# Altium PCB C1B_EVAL_DEV.PcbDoc (part 1 of 2) (continued)
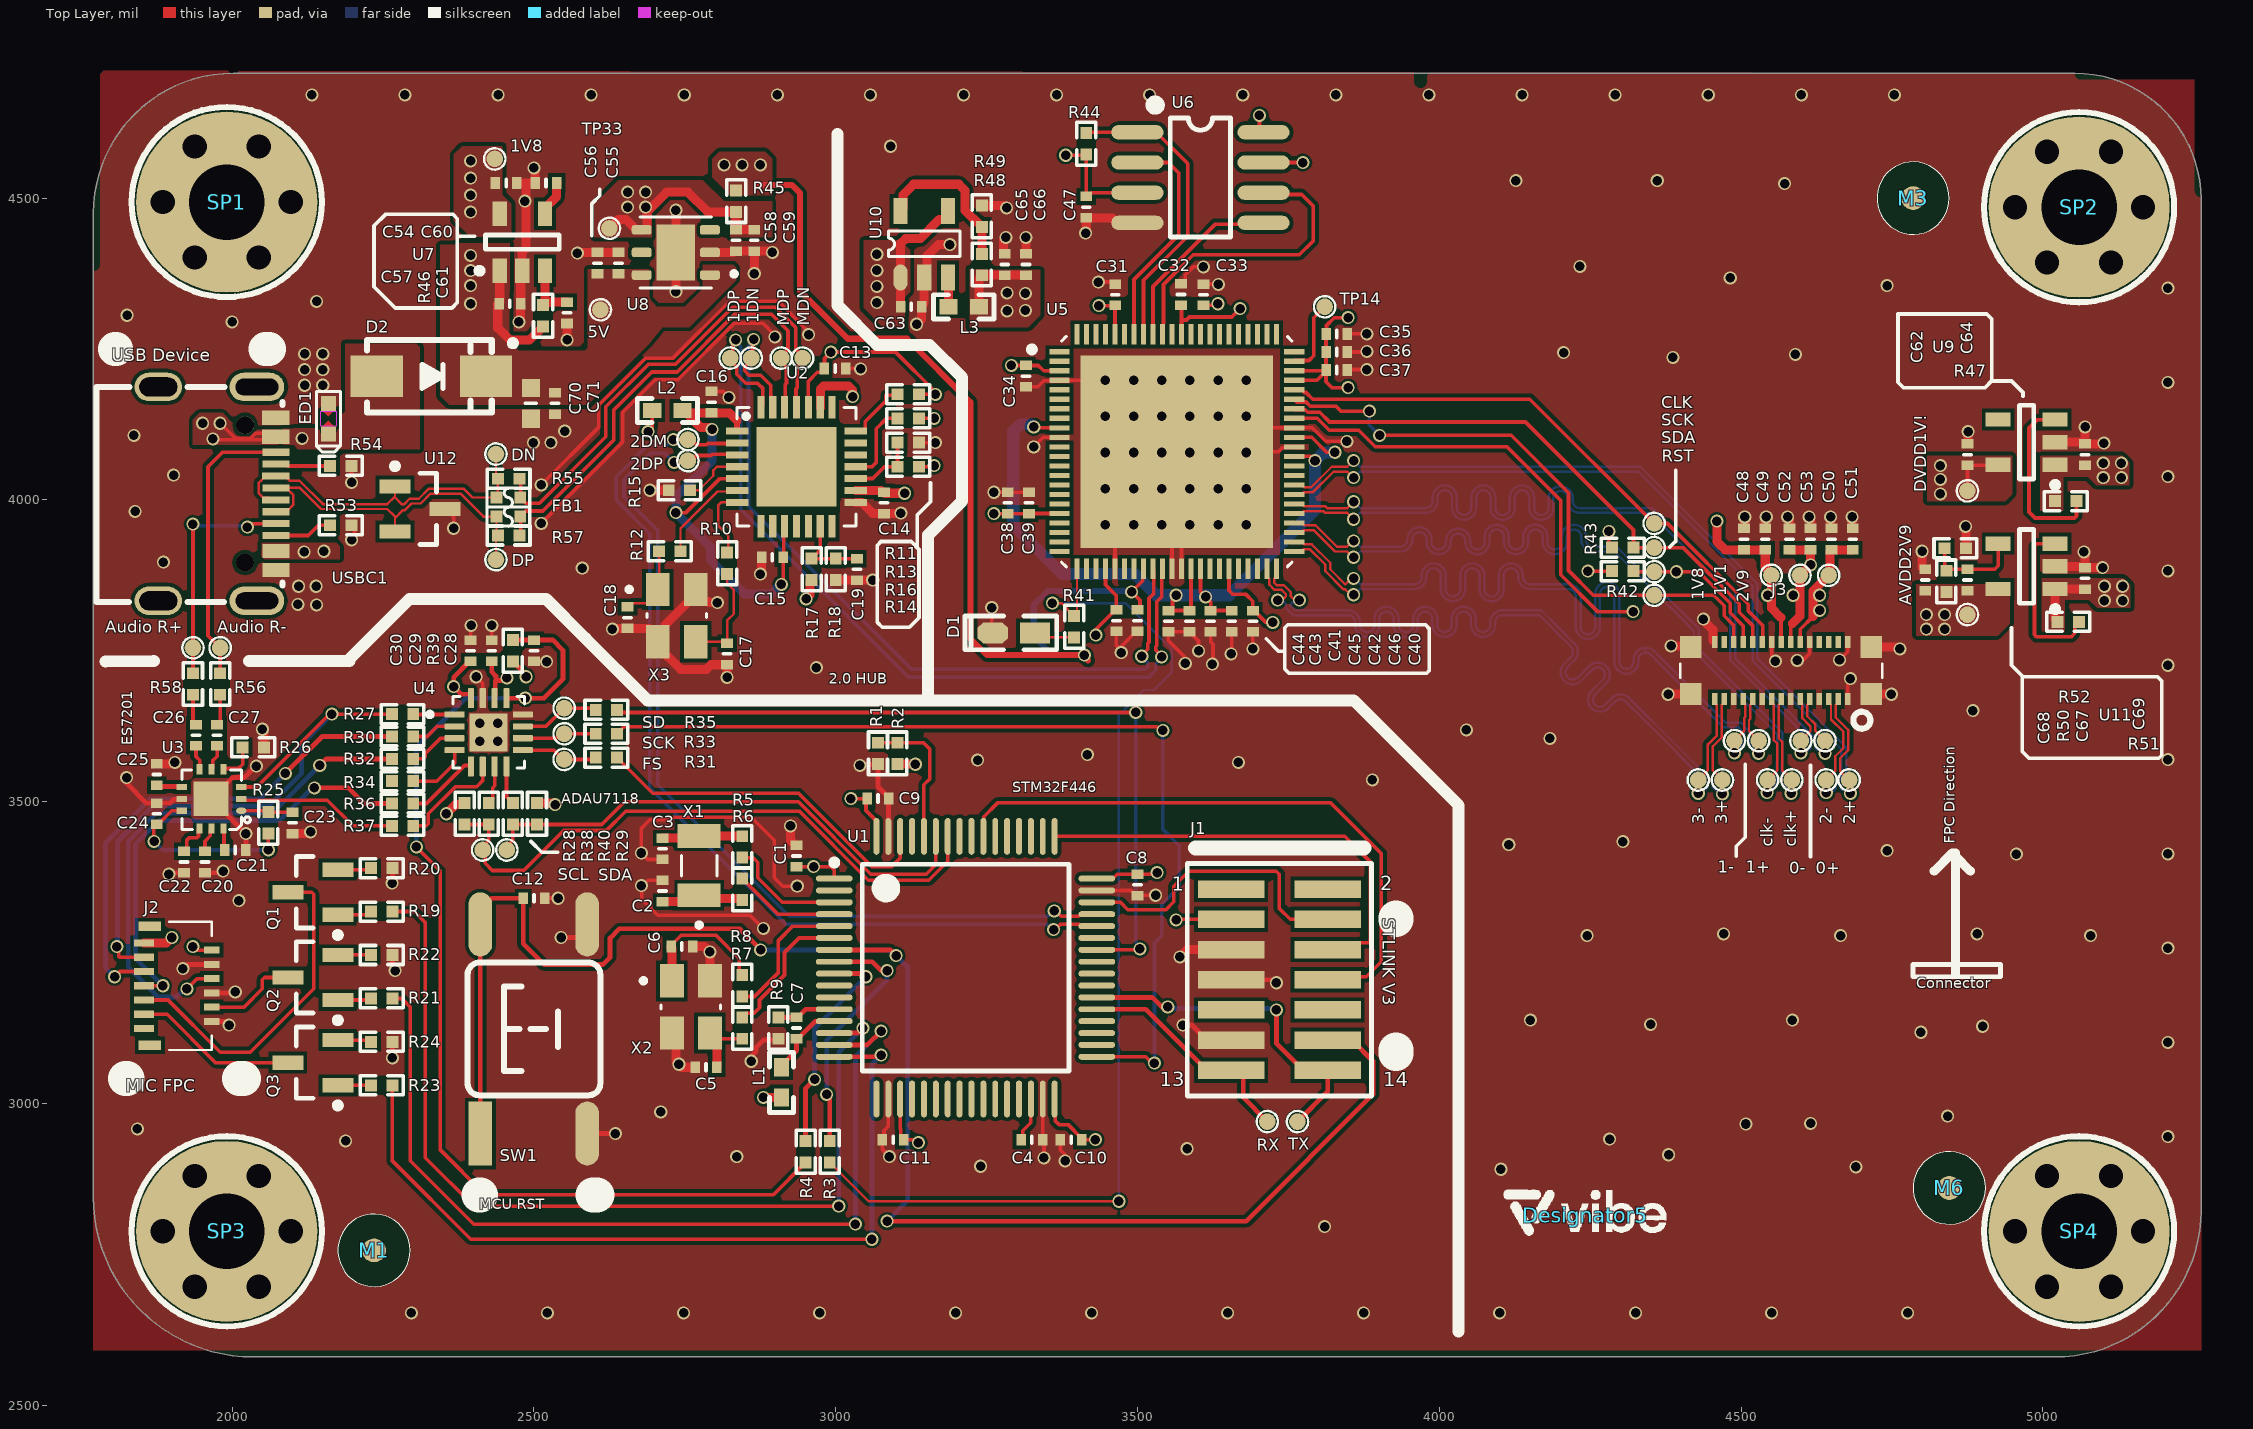
[diagram p0: Top Layer view]
## Footprints (in the part's own frame and the unit in brackets; to place one, negate y for a bottom-side part, rotate by r counter-clockwise, add the part's x,y. Pads: shape width x height; smd on the part's side, far side on the other; paste and mask are expansions set on the pad) (continued)
  round 300 hole 125: 1(0,0)
  silkscreen extent -157,-157 157,157, body extent -106,-93 106,93, height 159
MARK [mm]
  round 1 smd mask+0.05: 1(0,0)
  Top Layer pour cut-out: 1.524,0 1.523,0.066 1.519,0.133 1.511,0.199 1.501,0.265 1.488,0.33 1.472,0.395 1.454,0.458 1.432,0.521 1.408,0.583 1.382,0.644 1.352,0.704 1.32,0.762 1.286,0.819 1.249,0.874 1.209,0.928 1.168,0.98 1.124,1.03 1.078,1.078 1.03,1.124 0.98,1.168 0.928,1.209 0.874,1.249 0.819,1.286 0.762,1.32 0.704,1.352 0.644,1.382 0.583,1.408 0.521,1.432 0.458,1.454 0.395,1.472 0.33,1.488 0.265,1.501 0.199,1.511 0.133,1.519 0.066,1.523 0,1.524 -0.066,1.523 -0.133,1.519 -0.199,1.511 -0.265,1.501 -0.33,1.488 -0.395,1.472 -0.458,1.454 -0.521,1.432 -0.583,1.408 -0.644,1.382 -0.704,1.352 -0.762,1.32 -0.819,1.286 -0.874,1.249 -0.928,1.209 -0.98,1.168 -1.03,1.124 -1.078,1.078 -1.124,1.03 -1.168,0.98 -1.209,0.928 -1.249,0.874 -1.286,0.819 -1.32,0.762 -1.352,0.704 -1.382,0.644 -1.408,0.583 -1.432,0.521 -1.454,0.458 -1.472,0.395 -1.488,0.33 -1.501,0.265 -1.511,0.199 -1.519,0.133 -1.523,0.066 -1.524,0 -1.523,-0.066 -1.519,-0.133 -1.511,-0.199 -1.501,-0.265 -1.488,-0.33 -1.472,-0.395 -1.454,-0.458 -1.432,-0.521 -1.408,-0.583 -1.382,-0.644 -1.352,-0.704 -1.32,-0.762 -1.286,-0.819 -1.249,-0.874 -1.209,-0.928 -1.168,-0.98 -1.124,-1.03 -1.078,-1.078 -1.03,-1.124 -0.98,-1.168 -0.928,-1.209 -0.874,-1.249 -0.819,-1.286 -0.762,-1.32 -0.704,-1.352 -0.644,-1.382 -0.583,-1.408 -0.521,-1.432 -0.458,-1.454 -0.395,-1.472 -0.33,-1.488 -0.265,-1.501 -0.199,-1.511 -0.133,-1.519 -0.066,-1.523 0,-1.524 0.066,-1.523 0.133,-1.519 0.199,-1.511 0.265,-1.501 0.33,-1.488 0.395,-1.472 0.458,-1.454 0.521,-1.432 0.583,-1.408 0.644,-1.382 0.704,-1.352 0.762,-1.32 0.819,-1.286 0.874,-1.249 0.928,-1.209 0.98,-1.168 1.03,-1.124 1.078,-1.078 1.124,-1.03 1.168,-0.98 1.209,-0.928 1.249,-0.874 1.286,-0.819 1.32,-0.762 1.352,-0.704 1.382,-0.644 1.408,-0.583 1.432,-0.521 1.454,-0.458 1.472,-0.395 1.488,-0.33 1.501,-0.265 1.511,-0.199 1.519,-0.133 1.523,-0.066 1.524,0
  silkscreen extent -1.52,-1.52 1.52,1.52
QFN12 [mil]
  oval 17x10 smd: 1(0,0)
  rect 17x10 smd: 2(0,-19.68) 3(0,-39.37) 7(98.43,-39.37) 8(98.43,-19.68) 9(98.43,0)
  rect 10x17 smd: 4(29.53,-68.9) 5(49.21,-68.9) 6(68.9,-68.9) 10(68.9,29.53) 11(49.21,29.53) 12(29.53,29.53)
  rect 57.48x57.48 smd: 13(50,-20)
  Top Layer keep-out region: 45,-10
  Top Layer keep-out region: 45,-10
  Top Layer keep-out region: 35,-20
  silkscreen extent -15,-68 98,31, body extent 0,-65 100,30, height 25
QFN40P1000X1000X90-89N [mm]
  rect 0.86x0.22 smd: 1(-4.935,4.2) 2(-4.935,3.8) 3(-4.935,3.4) 4(-4.935,3) 5(-4.935,2.6) 6(-4.935,2.2) 7(-4.935,1.8) 8(-4.935,1.4) 9(-4.935,1) 10(-4.935,0.6) 11(-4.935,0.2) 12(-4.935,-0.2) 13(-4.935,-0.6) 14(-4.935,-1) 15(-4.935,-1.4) 16(-4.935,-1.8) 17(-4.935,-2.2) 18(-4.935,-2.6) 19(-4.935,-3) 20(-4.935,-3.4) 21(-4.935,-3.8) 22(-4.935,-4.2) 45(4.935,-4.2) 46(4.935,-3.8) 47(4.935,-3.4) 48(4.935,-3) 49(4.935,-2.6) 50(4.935,-2.2) 51(4.935,-1.8) 52(4.935,-1.4) 53(4.935,-1) 54(4.935,-0.6) 55(4.935,-0.2) 56(4.935,0.2) 57(4.935,0.6) 58(4.935,1) 59(4.935,1.4) 60(4.935,1.8) 61(4.935,2.2) 62(4.935,2.6) 63(4.935,3) 64(4.935,3.4) 65(4.935,3.8) 66(4.935,4.2)
  rect 0.22x0.86 smd: 23(-4.2,-4.935) 24(-3.8,-4.935) 25(-3.4,-4.935) 26(-3,-4.935) 27(-2.6,-4.935) 28(-2.2,-4.935) 29(-1.8,-4.935) 30(-1.4,-4.935) 31(-1,-4.935) 32(-0.6,-4.935) 33(-0.2,-4.935) 34(0.2,-4.935) 35(0.6,-4.935) 36(1,-4.935) 37(1.4,-4.935) 38(1.8,-4.935) 39(2.2,-4.935) 40(2.6,-4.935) 41(3,-4.935) 42(3.4,-4.935) 43(3.8,-4.935) 44(4.2,-4.935) 67(4.2,4.935) 68(3.8,4.935) 69(3.4,4.935) 70(3,4.935) 71(2.6,4.935) 72(2.2,4.935) 73(1.8,4.935) 74(1.4,4.935) 75(1,4.935) 76(0.6,4.935) 77(0.2,4.935) 78(-0.2,4.935) 79(-0.6,4.935) 80(-1,4.935) 81(-1.4,4.935) 82(-1.8,4.935) 83(-2.2,4.935) 84(-2.6,4.935) 85(-3,4.935) 86(-3.4,4.935) 87(-3.8,4.935) 88(-4.2,4.935)
  rect 8.1x8.1 smd paste-2.14: 89(0,0)
  silkscreen extent -6.2,-4.85 4.85,4.85
QFN50P300X300X80-17N [mm]
  rrect25% 0.84x0.26 smd: 1(-1.435,0.75) 2(-1.435,0.25) 3(-1.435,-0.25) 4(-1.435,-0.75) 9(1.435,-0.75) 10(1.435,-0.25) 11(1.435,0.25) 12(1.435,0.75)
  rrect25% 0.26x0.84 smd: 5(-0.75,-1.435) 6(-0.25,-1.435) 7(0.25,-1.435) 8(0.75,-1.435) 13(0.75,1.435) 14(0.25,1.435) 15(-0.25,1.435) 16(-0.75,1.435)
  rect 1.6x1.6 smd paste-2: 17(0,0)
  silkscreen extent -2.57,-1.5 1.5,1.5
QFN-28 [mm]
  rect 0.95x0.3 smd: 1(-2.5,1.5) 2(-2.5,1) 3(-2.5,0.5) 4(-2.5,0) 5(-2.5,-0.5) 6(-2.5,-1) 7(-2.5,-1.5) 15(2.5,-1.5) 16(2.5,-1) 17(2.5,-0.5) 18(2.5,0) 19(2.5,0.5) 20(2.5,1) 21(2.5,1.5)
  rect 0.3x0.95 smd: 8(-1.5,-2.5) 9(-1,-2.5) 10(-0.5,-2.5) 11(0,-2.5) 12(0.5,-2.5) 13(1,-2.5) 14(1.5,-2.5) 22(1.5,2.5) 23(1,2.5) 24(0.5,2.5) 25(0,2.5) 26(-0.5,2.5) 27(-1,2.5) 28(-1.5,2.5)
  rect 3.35x3.35 smd: PAD(0,0)
  silkscreen extent -2.5,-2.5 2.5,2.5
R0402 [mil]
  rect 19.69x19.69 smd mask+1.97: 1(-17.72,0) 2(17.72,0)
  silkscreen extent -35,-16 35,16
SAMTEC-FTSH-107-01-X-DV [mil]
  rect 29.13x109.84 smd: 1(-150,-80) 2(-150,80) 3(-100,-80) 4(-100,80) 5(-50,-80) 6(-50,80) 7(0,-80) 8(0,80) 9(50,-80) 10(50,80) 11(100,-80) 12(100,80) 13(150,-80) 14(150,80)
  silkscreen extent -193,-153 193,153
SMA [mm] "4.5x2.6*2.2mm（长宽高，不包括引脚）"
  rect 2.2x1.75 smd: 1(-2.3,0) 2(2.3,0)
  silkscreen extent -2.7,-1.52 3.56,1.52, body extent -2.55,-1.3 2.55,1.3, height 2.15
SOIC-8 [mm] "封装库来自淘宝卖家 ID：黄晶宝石"
  oval 2.2x0.6 smd: 1(-2.654,1.905) 2(-2.654,0.635) 3(-2.654,-0.635) 4(-2.654,-1.905) 5(2.654,-1.905) 6(2.654,-0.635) 7(2.654,0.635) 8(2.654,1.905)
  silkscreen extent -2.06,-2.5 1.27,3.2, body extent -3,-2.5 3,2.5, height 1.9
SON95P300X300X100-7N [mm]
  rect 1.625x2.365 smd paste-2: 0(0,0)
  rrect50% 0.84x0.4 smd: 1(-1.435,0.95) 2(-1.435,0) 3(-1.435,-0.95) 4(1.435,-0.95) 5(1.435,0) 6(1.435,0.95)
  silkscreen extent -2.55,-1.5 1.5,1.5
SOT23 [mm] "SOT23, 3-Leads, Body 2.9x1.3mm, Pitch 0.95mm, Lead Span 2.4mm, IPC Medium Density"
  rect 1.3x0.6 smd: 1(-1.05,0.95) 2(-1.05,-0.95) 3(1.05,0)
  silkscreen extent -1.18,-1.5 0.7,1.92, body extent -1.2,-1.5 1.2,1.5, height 1.05
SOT23-5 [mm] "SOT23, 5-Leads, Body 2.9x1.6mm, Pitch 0.95mm, IPC Medium Density"
  rect 1.05x0.6 smd: 1(-1.2,0.95) 2(-1.2,0) 3(-1.2,-0.95) 4(1.2,-0.95) 5(1.2,0.95)
  silkscreen extent -1.32,-1.55 0.3,1.92, body extent -1.4,-1.5 1.4,1.5, height 1.15
SOT_23_5 [mm]
  oval 1.1x0.6 smd mask+0.05: 1(0,0)
  rect 1.1x0.6 smd mask+0.05: 2(0,-1) 3(0,-2) 4(2.8,-2) 5(2.8,0)
  silkscreen extent 0.88,-2.5 1.95,0.5
TP_0R70 [mm]
  round 0.7 smd mask+0.05: 1(0,0)
  silkscreen extent -0.45,-0.45 0.45,0.45
"TSW SMD-6*6*5" [mm] "6*6*5mm           淘宝ID:黄晶宝石"
  rect 2.7x1 smd: 1(-4.4,2.261)
  oval 2.7x1 smd: 2(-4.4,-2.239) 3(4.4,-2.239) 4(4.4,2.261)
  silkscreen extent -2.79,-2.79 2.79,2.79, body extent -4.5,-3 4.5,3, height 5.03
USB-C-SMD_16P [mm] "封装库来自淘宝ID:黄晶宝石"
  oval 1.2x2.3 hole 0.7 slot 1.8 at 90 deg: 0(-4.5,-1.675) 0(4.5,-1.675)
  oval 1.2x2 hole 0.8 slot 1.6 at 90 deg: 0(-4.5,2.475) 0(4.5,2.475)
  rect 0.3x1.15 smd: A1(3.35,-2.473) A4(2.55,-2.471) A5(1.25,-2.475) A6(0.25,-2.475) A7(-0.25,-2.473) A9(-2.55,-2.475) A12(-3.35,-2.475) B1(-3.05,-2.475) B4(-2.25,-2.475) B5(-1.75,-2.475) B6(-0.75,-2.475) B7(0.75,-2.473) B9(2.25,-2.471) B12(3.05,-2.473)
  rect 0.3x1.148 smd: A8(1.75,-2.475) B8(-1.25,-2.475)
  round 0.75 hole 0.75 unplated: ""(-2.89,-1.175) ""(2.89,-1.175)
  silkscreen extent -4.56,-2.75 4.5,5.08, body extent -4.44,-2.87 4.5,5.03, height 3.25
Vibe_Logo [mil]
  silkscreen extent -135,-33 134,42
XTAL_3215-32.768K [mm]
  rect 1x1.8 smd: 1(-1.25,0) 2(1.25,0)
  silkscreen extent -2.6,-0.75 0.43,0.75, body extent -1.6,-0.75 1.6,0.75, height 0.9
XTAL_3225-8MHZ [mm]
  rect 1x1.4 smd: 1(-0.8,1.1) 2(-0.8,-1.1) 3(0.8,-1.1) 4(0.8,1.1)
  silkscreen extent -2.1,-0.08 1.25,1.2

## Part data
0+ 0- 1+ 1- 1DN 1DP 1V1 1V8 1V8 2+ 2- 2DM 2DP 2V9 3+ 3- 5V "Audio R+" "Audio R-" AVDD2V9 CLK clk+ clk- DN DP DVDD1V! FS MDN MDP RST RX SCK SCK SCL SD SDA SDA TP14 TP33 TX: library part TP, "Test Point 0.7mm", Part Type=TP, PCB Footprint=TP_0R50, Priority=A
C1 C45 C57 C66: library part "CAP NP_Dup1", "cap,1.00uF,+/-10%,10V,X5R,C0402", Part Type=C0402, PCB Footprint=C0402, Priority=A
C2 C3: library part "CAP NP_Dup1", "cap,4.3pF,+/-10%,25V,X5R,C0402", Part Type=C0402, PCB Footprint=C0402, Priority=A
C4 C46 C54 C62 C63 C65: library part "CAP NP_Dup1", "cap,4.70uF,+/-10%,6.3V,X5R,C0402", Part Type=C0402, PCB Footprint=C0402, Priority=A
C5 C6 C17 C18: library part "CAP NP_Dup1", "cap,20pF,+/-10%,25V,X5R,C0402", Part Type=C0402, PCB Footprint=C0402, Priority=A
C7 C12 C13 C14 C15 C16 C19 C24 C60 C61 C71: library part "CAP NP_Dup1", "cap,100.00nF,+/-10%,10V,X5R,C0402", Part Type=C0402, PCB Footprint=C0402, Priority=A
C8 C9 C10 C11 C31 C38 C48 C50 C52: library part "CAP NP_Dup1", "cap,2.20uF,+/-10%,10V,X5R,C0402", Part Type=C0402, PCB Footprint=C0402, Priority=A
C20 C21 C22 C23 C25 C26 C27 C33 C37: library part "CAP NP_Dup1", "cap,1.00uF,+/-10%,6.3V,X5R,C0402", Part Type=C0402, PCB Footprint=C0402, Priority=A
C28 C29 C30 C56 C59: library part "CAP NP_Dup1", "cap,1.0uF,+/-10%,6.3V,C0402", Part Type=C0402, PCB Footprint=C0402, Priority=A
C32 C34 C35 C36 C39 C40 C41 C42 C43 C44 C47 C49 C51 C53: library part "CAP NP_Dup1", "cap,100.00nF,+/-10%,25V,X5R,C0402", Part Type=C0402, PCB Footprint=C0402, Priority=A
C55 C58 C64 C69: library part "CAP NP_Dup1", "cap,1.0uF,+/-10%,6.3V,X5R,C0402", Part Type=C0402, PCB Footprint=C0402, Priority=A
C67: library part "CAP NP_Dup1", "cap,22pF,+/-10%,6.3V,X5R,C0402", Part Type=C0402, PCB Footprint=C0402, Priority=A
C68: library part "CAP NP_Dup1", "cap,10uF,+/-10%,6.3V,X5R,C0402", Part Type=C0402, PCB Footprint=C0402, Priority=A
C70: library part "CAP NP_Dup1", "cap,22.00uF,+/-10%,10V,X5R,C0603", Part Type=C0603, PCB Footprint=C0603, Priority=A
D1: library part LED, "LED 0603 Wite 发光二极管", Part Type=SS14
D2: "SS14 肖特基二极管", Part Type=SS14
ED1: library part "DIODE BI_DIR TRIG", "1-Line, Bi-directional, Transient Voltage Suppressors.17.5pF.", Part Type=ESD_TVS, PCB Footprint=ESD0402, Priority=A
FB1: library part "INDUCTOR COM", "MCZ1210AH900L2T, 0603 90Ohm 100MHz", Part Type=BEAD, PCB Footprint=RP2_0504, Priority=A
J1: "Samtec 14Pin 2x7 Header Connector. / STM32_STLINK_V3 Debug"
J2: library part 12pP254, "FFC & FPC连接器 13 PIN FPC CONNECTOR 0.3mmP FRONT FLIP"
J3: "AXE530127 Connector", Manufacturer_Name=Panasonic, Mouser2 Part Number=679-AXE530127, Datasheet Link=https://componentsearchengine.com//AXE530127.pdf, Height=0.97mm, Manufacturer_Part_Number=AXE530127, Mouser2 Price/Stock=https://www.mouser.com/Search/Refine.aspx?Keyword=679-AXE530127
L1: library part L-AL, "鐵氧體磁珠 33ohm 0.55A 550mOhms 0402 Chip Bead"
L2: library part L, "鐵氧體磁珠 120 OHM 25%"
L3: library part L, "贴片小功率电感"
M1 M2 M3 M4 M5 M6: "PCBA MARKS"
Q1 Q2 Q3: "Transistor BJT NPN", Manufacturer_Name="Comchip Technology", Mouser2 Part Number=750-SS8050-G, Datasheet Link=https://componentsearchengine.com//SS8050-G.pdf, Height=1.15mm, Manufacturer_Part_Number=SS8050-G, Mouser2 Price/Stock=https://www.mouser.com/Search/Refine.aspx?Keyword=750-SS8050-G
R1 R2 R3 R4 R5 R6 R7 R8 R9 R10 R12 R27 R30 R31 R32 R33 R34 R35 R36 R37 R38 R40 R45 R55 R57: library part RESISTOR, "通用厚膜电阻,0R,+/-5%,R0402", Tolerance=5%, Part Type=通用厚膜电阻, PCB Footprint=R0402, Priority=A
R11 R13 R14 R16 R17 R25 R26 R28 R29 R39 R42 R43 R44 R46 R47 R51: library part RESISTOR, "通用厚膜电阻,10K,+/-5%,R0402", Tolerance=5%, Part Type=通用厚膜电阻, PCB Footprint=R0402, Priority=A
R15: library part RESISTOR, "通用厚膜电阻,680R,+/-1%,R0402", Tolerance=1%, Part Type=通用厚膜电阻, PCB Footprint=R0402, Priority=A
R18: library part RESISTOR, "通用厚膜电阻,4.7K,+/-5%,R0402", Tolerance=5%, Part Type=通用厚膜电阻, PCB Footprint=R0402, Priority=A
R19 R21 R23: library part RESISTOR, "通用厚膜电阻,1K,+/-5%,R0405", Tolerance=5%, Part Type=通用厚膜电阻, PCB Footprint=R0402, Priority=A
R20 R22 R24: library part RESISTOR, "通用厚膜电阻,200R,+/-5%,R0402", Tolerance=5%, Part Type=通用厚膜电阻, PCB Footprint=R0402, Priority=A
R41: library part RESISTOR, "通用厚膜电阻,2.2K,+/-5%,R0402", Tolerance=5%, Part Type=通用厚膜电阻, PCB Footprint=R0402, Priority=A
R48 R50: library part RESISTOR, "通用厚膜电阻,180K,+/-1%,R0402,1/16W.", Tolerance=1%, Part Type=通用厚膜电阻, PCB Footprint=R0402, Priority=A
R49: library part RESISTOR, "通用厚膜电阻,100K,+/-1%,R0402", Tolerance=1%, Part Type=通用厚膜电阻, PCB Footprint=R0402, Priority=A
R52: library part RESISTOR, "通用厚膜电阻,68K,+/-1%,R0402", Tolerance=1%, Part Type=通用厚膜电阻, PCB Footprint=R0402, Priority=A
R53: library part RESISTOR, "通用厚膜电阻,5.1K,+/-5%,R0402", Tolerance=5%, Part Type=通用厚膜电阻, PCB Footprint=R0402, Priority=A
R54 R56 R58: library part RESISTOR, "通用厚膜电阻,510K,+/-1%,R0402", Tolerance=5%, Part Type=通用厚膜电阻, PCB Footprint=R0402, Priority=A
SP1 SP2 SP3 SP4: library part 铜柱大焊盘, "铜柱"
SW1: library part "SW SMD-4x4", "贴片4x4轻触开关"
U2: library part GL850G, "GL850 4 Port USB HUB QFN-28", Package=QFN-28
U3: "ES7201 PCM to PDM Convertor"
U4: "16-lead, 3 mm × 3 mm, 0.50 mm pitch LFCSP"
U5: "SPCA2688A ISP IC / QFN88 10x10MM 0.4MM"
U6: "SPI FLASH SOP-8"
U7: library part LDO_PT5108, "High-PSRR 600mA LDO.Output1.8V.", Part Type=LDO, PCB Footprint=SOT_23_5, Priority=A
U8: "LD39050PU33R  /  6-DFN (3x3) / Output 500mA"
U9: library part DCDC_WL2836E, "WL2836E11 DCDC for CMOS Sensor"
U10: "RT8096A-B / SOT-23-5"
U11: library part DCDC_LP3983S, "LP3983SAB5F 2V9 DCfor CMOS SensorSOT_23_5"
U12: library part ESD_ESDA6V8UL, "2-Lines, Uni-directional,Ultra-low Capacitance.Transient Voltage Suppressors", Part Type=ESD_TVS, PCB Footprint=SOT_23, Priority=A
USBC1: library part USB2.0_Type-C_16Pin, "USB2.0_Type-C_16Pin母座"
X1: library part XTAL-2P, "ABS05-32.768kHz-7-T / 3215 2脚无源晶振(谐振器）"
X2: library part CRYSTAL_4P, "8MHZ (16pF), 3.2 mm x 2.5 mm / 无源晶振(谐振器）"
X3: library part CRYSTAL_4P, "12MHZ (16pF), 3.2 mm x 2.5 mm / 无源晶振(谐振器）"

## Via types
v1: diameter 21.65, hole 15.75, Top Layer to Bottom Layer, tented both sides, 413 vias

## Nets (pads, with @x,y where several pads share a name; then routed paths per layer and width w, separated by ;. In a path a pad name is that pad's centre, name@x,y a point inside that pad or via, vN(x,y) a via of type N, cw(c..) or ccw(c..) an arc to the next point about the centre after c; other vN are vias at no path point)
AGND: C7.2 R9.2 U1.12 | length 98
  Top Layer w8: R9.2@2905,3142.72 C7.2@2935,3142.71 2936.97,3142.71 2950.36,3156.1 U1.12@2997.48,3156.1
AUDIO_R_N: "Audio R+.1" R58.2 USBC1.B8 | length 389.2
  Top Layer w6: R58.2@1935,3712.72 1935,3755 v1(1935,3960) ; v1(2025,3955) 2030,3955 2035.79,3960.79 USBC1.B8@2072.43,3960.79
  Bottom Layer w6: v1(1935,3960) 1937.5,3957.5 2022.5,3957.5 v1(2025,3955)
AUDIO_R_P: "Audio R-.1" R56.2 USBC1.A8 | length 472.9
  Top Layer w6: R56.2@1980,3712.72 1980,3755 1960,3775 1960,4055 1983.9,4078.9 USBC1.A8@2072.43,4078.9
AVDD: C7.1 L1.2 U1.13 | length 132.2
  Top Layer w8: L1.2@2910,3060 2910,3062.5 2934.91,3087.41 2934.91,3107.19 C7.1@2935,3107.28 2936.97,3107.28 2955,3125.32 2965.75,3136.06 2997.13,3136.06 U1.13@2997.48,3136.42
AVDD2V9: 2V9.1 AVDD2V9.1 C50.1 C51.1 C67.1 C68.1 J3.25 R50.1 U11.5 | length 209.4
  Top Layer w6: J3.25@4597.76,3764.49 4597.76,3785.76 4619,3807
  Top Layer w8: 2V9.1@4645,3875 2V9.1@4647.5,3877.5 ; C50.1@4647.5,3914.78 C50.1@4650,3917.28
  Top Layer w15: 4619,3807 4619,3849 2V9.1@4645,3875 ; 2V9.1@4647.5,3877.5 C50.1@4647.5,3914.78 ; C50.1@4650,3917.28 C51.1@4685,3917.28
  other v1: 4807,3786 4837,3786 4807,3810 4837,3810 4630,3817 4630,3842
BOOT0: R1.1 R2.1 U1.60 | length 239.1
  Top Layer w6: R1.1@3070,3597.72 R2.1@3102,3597.72 3145.28,3597.72 3156,3587 3156,3538 3146,3528 3146,3442.62 U1.60@3146.1,3442.52
CMOS_SCK1: J3.20 R43.1 SCK.1@4356,3921 U5.60 | length 961.1
  Top Layer w6: U5.60@3759.29,4150.87 3760.62,4149.54 3777.64,4149.54 3782.06,4145.12 3802.02,4145.12 3817.97,4129.17 4142.83,4129.17 4321.72,3950.28 R43.1@4321.72,3921 SCK.1@4356,3921 4403.86,3921 4497,3827.86 4497,3814 4519.02,3791.98 J3.20@4519.02,3764.49
CMOS_SDA1: J3.19 R42.1 SDA.1@4356,3881 U5.59 | length 1120.9
  Top Layer w6: U5.59@3759.29,4135.12 3797.88,4135.12 3817.5,4115.5 3866.5,4115.5 3894,4088 4112,4088 4201,3999 4201,3876 4262,3815 v1(4321,3815) ; R42.1@4321.72,3882 4322.72,3881 SDA.1@4356,3881 v1(4392.86,3881) 4429.72,3881 4482,3828.72 4482,3813 4503.27,3791.73 J3.19@4503.27,3764.49
  Power w10: v1(4321,3815) 4323.93,3815 4389.93,3881 v1(4392.86,3881)
CODEC_EN: C28.1 R4.1 R39.1 U4.13 | length 1800.2
  Top Layer w6: v1(2305,3425) 2345,3385 2345,2923 2419,2849 2896.72,2849 R4.1@2950,2902.28
  Top Layer w8: U4.13@2454.53,3671.5 v1(2485.51,3671.5) 2516.5,3671.5 2548,3703 2548,3751 2531,3768 2465.28,3768 R39.1@2465,3767.72
  Bottom Layer w8: v1(2305,3425) 2305,3590 2386.5,3671.5 v1(2485.51,3671.5)
DVDD: C31.2 C33.1 C38.1 C39.1 C65.1 C66.1 L3.2 R48.1 U5.18 U5.84 | length 341.3
  Top Layer w6: v1@3262,3977 3262.28,3977.28 C38.1@3285,3977.28 C39.1@3320,3977.28 3320.18,3977.46 3370.53,3977.46 U5.18@3370.71,3977.64 ; v1(3436,4322) C31.2@3462.71,4322 ; U5.84@3462.64,4274.29 3462.64,4321.93 C31.2@3462.71,4322 ; C31.2@3463,4322.29 C31.2@3462.71,4322 ; C33.1@3604,4322.28 3630.28,4322.28 v1(3633,4325)
  Top Layer w15: L3.2@3237,4320 3237,4367.28 R48.1@3242,4372.28 C66.1@3315,4372.28
  other v1: 3262.14,3977.14 3284,4313 3314,4314 3314,4342 3284,4343
DVDD1V1: 1V1.1 C52.1 C53.1 C62.1 DVDD1V!.1 J3.24 U9.5 | length 295
  Top Layer w6: J3.24@4582.01,3764.49 4582.01,3792.01 4585,3795 ; DVDD1V!.1@4875,4015 C62.1@4875,4057.28 4924.82,4057.28 U9.5@4925.84,4058.31
  Top Layer w15: C52.1@4580,3917.28 C53.1@4615,3917.28 v1(4615,3892.5) 1V1.1@4597.5,3875 4597.5,3807.5 4585,3795
  other v1: 4586,3842 4830,4010 4830,4034 4830,4057
DVSS: C1.2 C2.2 C3.2 C4.2 C5.2 C6.2 C8.2 C9.2 C10.2 C11.2 C12.1 C13.2 C14.2 C15.2 C16.2 C17.2 C18.2 C19.2 C20.2 C21.1 C22.2 C23.2 C24.2 C25.2 C28.2 C29.2 C30.2 C31.1 C32.1 C33.2 C34.1 C35.2 C36.1 C37.1 C38.2 C39.2 C40.2 C41.1 C42.2 C43.2 C44.2 C45.1 C46.2 C47.1 C48.2 C49.2 C50.2 C51.2 C52.2 C53.2 C54.2 C55.2 C56.2 C57.2 C58.2 C59.2 C60.2 C61.2 C62.2 C63.2 C64.2 C65.2 C66.2 C68.2 C69.2 C70.2 C71.2 D1.2 ED1.2 J1.5 J1.7 J1.11 J2.4 J2.8 J2.12 J3.1 J3.4 J3.7 J3.10 J3.13 J3.16 J3.22 J3.26 J3.30 J3.MP1 J3.MP2 J3.MP3 J3.MP4 R1.2 R9.1 R15.2 R16.1 R18.2 R20.2 R22.2 R24.2 R26.2 R49.2 R52.2 R53.2 R54.1 SW1.2 SW1.3 U1.18 U1.31 U1.47 U1.63 U2.15 U3.8 U3.13 U4.12 U4.15 U4.17 U5.4 U5.10 U5.27 U5.33 U5.34 U5.56 U5.58 U5.89 U6.4 U7.2 U8.0 U8.2 U9.2 U10.2 U11.2 U12.3 USBC1.A1 USBC1.A12 USBC1.B1 USBC1.B12 X2.2 X2.4 X3.2 X3.4 | length 8533.9
  Top Layer w6: R54.1@2197.72,4056.28 2197.72,4029.28 v1(2197.86,4029.14) ; v1@2202,3934 2202.72,3934.72 R53.2@2202.72,3958 ; U12.3@2352.34,3985 2353.19,3985 2367,3971.19 v1(2367,3953) ; C30.2@2395,3767.71 2395,3791 v1(2396,3792) ; v1(2404,3707) 2415.16,3695.84 U4.15@2415.16,3671.5 ; C29.2@2430,3767.71 v1(2430,3792) ; C28.2@2500,3732.29 2500.07,3732.22 2520.88,3732.22 v1(2520.95,3732.14) ; v1(2512,3961) 2647.07,4096.07 2647.07,4145.07 2701,4199 2738.29,4199 2832.29,4293 2879,4293 2899,4273 v1(2899,4270) ; v1(2512,4025) 2607,4120 2607,4157 2685,4235 2730.45,4235 2824.45,4329 2904.49,4329 2943.82,4289.66 2943.82,4289.41 2955,4278.24 v1(2955,4274) ; C2.2@2713,3369.71 2689.34,3369.71 2680.63,3361 v1(2678,3361) 2678.5,3360.5 2678.5,3338.5 2705,3312 2858,3312 v1(2880,3290) ; C3.2@2713,3404.29 2688.71,3404.29 v1(2678,3415) 2678,3456 2692,3470 2723,3470 2727,3474 2860,3474 2898,3436 2898,3374 2912,3360 v1(2936.23,3360) ; C16.2@2794,4179.71 2813.29,4179.71 v1(2823,4170) ; C13.2@3016.71,4218 3040,4218 v1(3041,4217) ; U1.18@3087.05,3007.48 3087.05,2962.05 3080,2955 3080,2942.72 C11.2@3077.29,2940 3077.29,2923.71 v1(3089,2912) ; R16.1@3137.72,4095 v1(3165,4095) ; v1(3258.48,3821.48) 3258.48,3781.26 D1.2@3260,3779.74 ; v1@3265,4012 3265.71,4012.71 C38.2@3285,4012.71 C39.2@3320,4012.71 ; C34.1@3315,4187.28 3334.56,4187.28 3344.78,4197.5 3370.1,4197.5 U5.4@3370.71,4198.11 v1(3446.89,4198.11) U5.89@3565,4080 ; v1(3328,4088) 3343.62,4103.62 U5.10@3370.71,4103.62 ; U1.31@3342.95,3007.48 3342.83,3007.36 3342.83,2940.12 C4.2@3342.71,2940 3345,2937.71 v1(3345,2910) ; C10.2@3372.29,2940 3372.29,2922.71 3380,2915 v1(3380,2905) ; U1.47@3432.52,3352.95 3489.65,3352.95 3498.03,3344.57 C8.2@3500,3344.57 3500.43,3345 v1(3530,3345) ; v1(3435,4361) 3459.72,4361 C31.1@3463,4357.72 ; U5.27@3463.97,3884.38 U5.27@3462.64,3885.71 3462.64,3977.64 U5.89@3557.13,4072.13 ; C44.2@3465,3782.29 3465,3759.24 3473,3751.24 v1(3473,3747) ; v1@3473,3757.26 3498.03,3782.29 C43.2@3500,3782.29 ; U5.33@3557.13,3885.71 U5.89@3557.13,4072.13 ; C32.1@3572,4358 3573.97,4358 3578.84,4362.87 3578.84,4372.84 3592,4386 v1(3609,4386) ; U5.34@3572.87,3885.71 3572.87,4072.13 U5.89@3565,4080 ; v1(3579,3729) 3579,3739 3551,3767 C41.1@3551,3781.29 C45.1@3586,3781.29 3601,3766.29 v1(3601,3750) ; C33.2@3604,4357.71 3633.29,4357.71 v1(3634,4357) ; C42.2@3621,3781.29 3621,3765 3625,3761 3625,3729 v1(3624,3728) ; v1@3654,3744 3656,3746 C46.2@3656,3781.29 ; v1(3691,3753) C40.2@3691,3781.29 ; U5.56@3759.29,4087.87 3757.96,4086.54 3739.99,4086.54 3733.45,4080 U5.89@3565,4080 ; v1(3847,4097) 3812,4097 3789.63,4119.37 U5.58@3759.29,4119.37 3604.37,4119.37 U5.89@3565,4080 ; C37.1@3847.72,4215 3848.72,4216 v1@3876,4216 ; C36.1@3847.72,4245 3875,4245 v1@3876,4246 ; C35.2@3847.72,4275 v1(3880,4275) ; J3.22@4550.51,3764.49 4550.51,3736.41 4554.03,3732.9 v1(4556.9,3732.9) ; v1(4593,3734) 4602,3734 4613.5,3745.5 J3.26@4613.5,3764.49 ; v1(4663,3735) 4676.5,3748.5 J3.30@4676.5,3764.49 ; J3.1@4676.5,3670 4676.5,3699.5 v1(4681,3704) ; U5.89@3557.13,4072.13 U5.89@3565,4080
  Top Layer w8: v1(1825,3540) 1825,3530.43 1857.71,3497.71 C24.2@1875,3497.71 1896.85,3497.71 1902.82,3503.68 1915.57,3503.68 U3.8@1916.57,3504.68 ; v1(1895,3380) 1897.29,3382.29 C22.2@1920,3382.29 ; v1(1918.31,3223.31) 1925.43,3230.43 J2.4@1966.1,3230.43 ; C20.2@1955,3382.29 1982.29,3382.29 v1(1985,3385) ; J2.12@1966.1,3135.94 1989.06,3135.94 v1(1995,3130) ; J2.8@1966.1,3183.19 2003.19,3183.19 v1(2005,3185) ; C21.1@2022.72,3420 v1(2022.72,3447.28) U3.13@1965,3505 2000,3540 2020,3540 2035,3555 2036.17,3555 v1(2040,3558.83) ; v1@2265,3075 v1(2265.44,3075.44) R24.2@2265.44,3102 ; v1(2265,3365) 2265.44,3365.44 R20.2@2265.44,3390 ; R22.2@2265.44,3246 2265.44,3224.56 v1(2270,3220) ; C12.1@2517.72,3340 v1(2540,3340) ; v1(2545,3275) 2573.68,3275 2588.17,3289.49 SW1.3@2588.17,3296.7 ; SW1.2@2588.17,2950.24 v1(2634.76,2950.24) v1@2635,2950 ; v1(2860,3070) 2861.27,3071.27 2861.27,3079.68 2868.14,3086.55 2868.14,3093.14 2880,3105 2902.72,3105 R9.1@2905,3107.28 ; v1(3040,3560) 3041.14,3561.14 3068.86,3561.14 R1.2@3070,3562.28 3070,3524.68 3087.71,3506.97 C9.2@3087.71,3505 3087.38,3504.66 3087.38,3442.85 U1.63@3087.05,3442.52 ; v1(3575,3130) 3589.64,3130 3614.64,3105 J1.11@3655,3105 ; J1.7@3655,3205 3725,3205 v1(3730,3200)
  Top Layer w15: C25.2@1875,3562.71 1902.71,3562.71 v1(1905,3565) ; v1(2050,3620) 2052.72,3617.28 R26.2@2052.72,3590 ; C23.2@2100,3447.29 2127.29,3447.29 v1(2130,3450) ; C54.2@2471.56,4525 2486.92,4525 ; v1(2475,4295) 2477.71,4297.71 C57.2@2477.71,4325 2478.09,4325.37 2478.09,4378.47 2480,4380.38 2480,4410 2486.92,4416.92 2486.92,4525 ; v1(2500,4550) 2501.91,4548.09 2501.91,4525.38 C60.2@2502.29,4525 2486.92,4525 ; v1(2555,4265) C61.2@2555,4292.29 ; v1(2572,4409) 2573,4410 C56.2@2605,4410 C55.2@2640,4410 ; v1(2630,3786) 2631.29,3787.29 C18.2@2655,3787.29 2690.59,3787.29 2705,3772.87 2717.19,3785.06 2717.19,3792.93 X3.4@2767.99,3843.74 ; v1(2692,4016) R15.2@2723.28,4016 ; X3.2@2705,3765 2705,3757.13 2743,3719.13 2785.63,3719.13 2793.41,3726.91 2819.62,3726.91 C17.2@2820,3727.29 v1(2820,3706) ; X2.2@2728.5,3116.69 2735,3110.2 2735,3070 v1(2740,3065) 2745,3060 C5.2@2767.29,3060 ; v1(2735,4345) U8.0@2735,4410 v1(2735,4480) ; C6.2@2762.71,3260 2782.71,3260 v1(2791.5,3251.21) X2.4@2791.5,3203.31 ; X3.4@2767.99,3851.61 X3.4@2767.99,3843.74 ; U8.2@2791.5,4410 2830.74,4410 2833.03,4412.29 C58.2@2835,4412.29 C59.2@2865,4412.29 ; v1(2804,3830) 2789.61,3830 2788.05,3831.56 2780.18,3831.56 X3.4@2767.99,3843.74 ; v1(2865,4375) C59.2@2865,4412.29 ; v1(2875,3877) 2877.29,3879.29 C15.2@2877.29,3905 ; v1(2895,4410) 2892.71,4412.29 C59.2@2865,4412.29 ; v1(2925,3460) 2925,3435.75 2933.03,3427.71 C1.2@2935,3427.71 ; R18.2@3000,3867.28 C19.2@3035,3867.29 v1(3061.29,3867.29) v1@3062,3868 ; U2.15@3033.43,3995.94 3043.03,3995.94 3061.32,3977.66 3079.62,3977.66 C14.2@3080,3977.29 3107.29,3977.29 v1(3108,3978) ; v1(3134,4291) 3142.34,4299.34 3142.34,4319.62 C63.2@3142.71,4320 3142.71,4321.97 3146.56,4325.81 U10.2@3146.56,4368.62 3150.87,4372.93 3150.87,4403.87 3170,4423 v1(3189,4423) ; R49.2@3242,4487.72 3279.28,4487.72 v1(3283,4484) ; C65.2@3280,4407.71 3278.03,4407.71 3277.66,4408.09 3277.66,4430.66 v1(3282,4435) ; C66.2@3315,4407.71 v1@3315,4431 ; v1(3414,4442) 3415,4443 C47.1@3415,4467.28 3457.66,4467.28 3465.87,4459.07 U6.4@3499.7,4459.07 ; v1(3570,3243) 3582,3255 J1.5@3655,3255 ; v1(4379,3678) 4379.27,3678.27 J3.MP1@4416.65,3678.27 ; v1(4384,3758) 4414.87,3758 J3.MP4@4416.65,3756.22 ; v1(4437.4,3802.4) 4437.4,3800.6 4453.05,3784.94 J3.16@4453.05,3766.83 ; C48.2@4505,3952.71 4505.63,3952.71 4506,3953.09 v1@4506,3971 ; C49.2@4540,3952.71 v1@4540,3972 ; C52.2@4580,3952.71 v1@4580,3972 ; C53.2@4615,3952.71 4615.63,3952.71 4616,3953.09 v1@4616,3971 ; v1@4648,3971 4648,3953.09 4648.37,3952.71 C50.2@4650,3952.71 ; v1@4684,3970 4684,3953.09 4684.37,3952.71 C51.2@4685,3952.71 ; J3.MP2@4715.87,3678.27 4748.73,3678.27 v1(4749,3678) ; J3.MP3@4715.87,3756.22 4759.78,3756.22 v1(4763,3753) ; v1(4800,3915) 4800,3888.03 4803.03,3885 C68.2@4805,3885 ; v1(4872,3956) 4872.72,3955.28 R52.2@4872.72,3920 ; C62.2@4875,4092.71 4875.63,4092.71 4876,4093.09 v1(4876,4113) ; U11.2@5020.33,3890 5065.75,3890 5068.03,3887.71 C69.2@5070,3887.71 ; U9.2@5020.33,4095.71 5065.04,4095.71 5068.03,4092.71 C64.2@5070,4092.71 ; v1(5068,3914) 5070,3912 C69.2@5070,3887.71 ; v1(5070,4121) C64.2@5070,4092.71 ; v1(5099,3888) 5098.71,3887.71 C69.2@5070,3887.71 ; v1(5101,4094) 5099.71,4092.71 C64.2@5070,4092.71
  other v1: 2297,2653 2522.36,2653 2747.73,2653 2973.09,2653 3198.45,2653 3423.82,2653 3649.18,2653 3874.55,2653 4099.91,2653 4325.27,2653 4550.64,2653 4776,2653 3810,2796 4102,2891 4690,2895 3240,2896 2836,2912 4380,2915 3582,2925 2188,2938 4282,2941 5207,2945 1843,2958 4508,2966 4615,2967 4842,2979 2710,2986 5207,3101.22 4798,3118 4900,3128 4350,3131 4151,3138 4585,3138 5207,3257.44 4245,3278 4665,3278 5079,3278 4471,3281 4891,3281 2011,3336 4956,3413 5207,3413.67 4742,3419 4115,3429 4304,3434 3889,3536 3667,3565 3235,3569 5207,3569.89 3417,3578 2410,3600 2440,3600 4183,3605 4045,3619 2410,3630 2440,3630 4884,3651 2968,3722 5207,3726.11 3655,3745 2140,3826 2109,3827 2110,3857 2139,3857 5207,3882.33 2580,3887 1886,3897 2197.86,3934 3446.89,3959 3493.51,3959 3540.13,3959 3586.76,3959 3633.38,3959 3680,3959 4506,3972 4541.6,3972 4577.2,3972 4612.8,3972 4648.4,3972 4684,3972 1839,3981 3262.14,4012.71 3446.89,4018.78 3493.51,4018.78 3540.13,4018.78 3586.76,4018.78 3633.38,4018.78 3680,4018.78 5207,4038.56 1903,4041 3446.89,4078.55 3493.51,4078.55 3540.13,4078.55 3586.76,4078.55 3633.38,4078.55 3680,4078.55 2499,4095 2528,4095 1837,4107 2551,4114 3446.89,4138.33 3493.51,4138.33 3540.13,4138.33 3586.76,4138.33 3633.38,4138.33 3680,4138.33 2120,4190 2150,4190 5207,4194.78 3493.51,4198.11 3540.13,4198.11 3586.76,4198.11 3633.38,4198.11 3680,4198.11 2120,4216 2150,4216 3880,4216 4387,4236 4590,4241 2120,4242 2150,4242 4206,4244 3880,4246 2000,4295 1826,4306 2140,4329 5207,4351 4742,4355 4482,4368 4233,4387 3315,4435 2485,4495 4572,4524 4127,4529 4361,4529 3091,4586 2132,4671 2286.24,4671 2440.47,4671 2594.71,4671 2748.94,4671 2903.18,4671 3057.41,4671 3211.65,4671 3365.88,4671 3520.12,4671 3674.35,4671 3828.59,4671 3982.82,4671 4137.06,4671 4291.29,4671 4445.53,4671 4599.76,4671 4754,4671